# Altium PCB VALVEBOARD_Kun.PcbDoc (part 8 of 13) (continued)
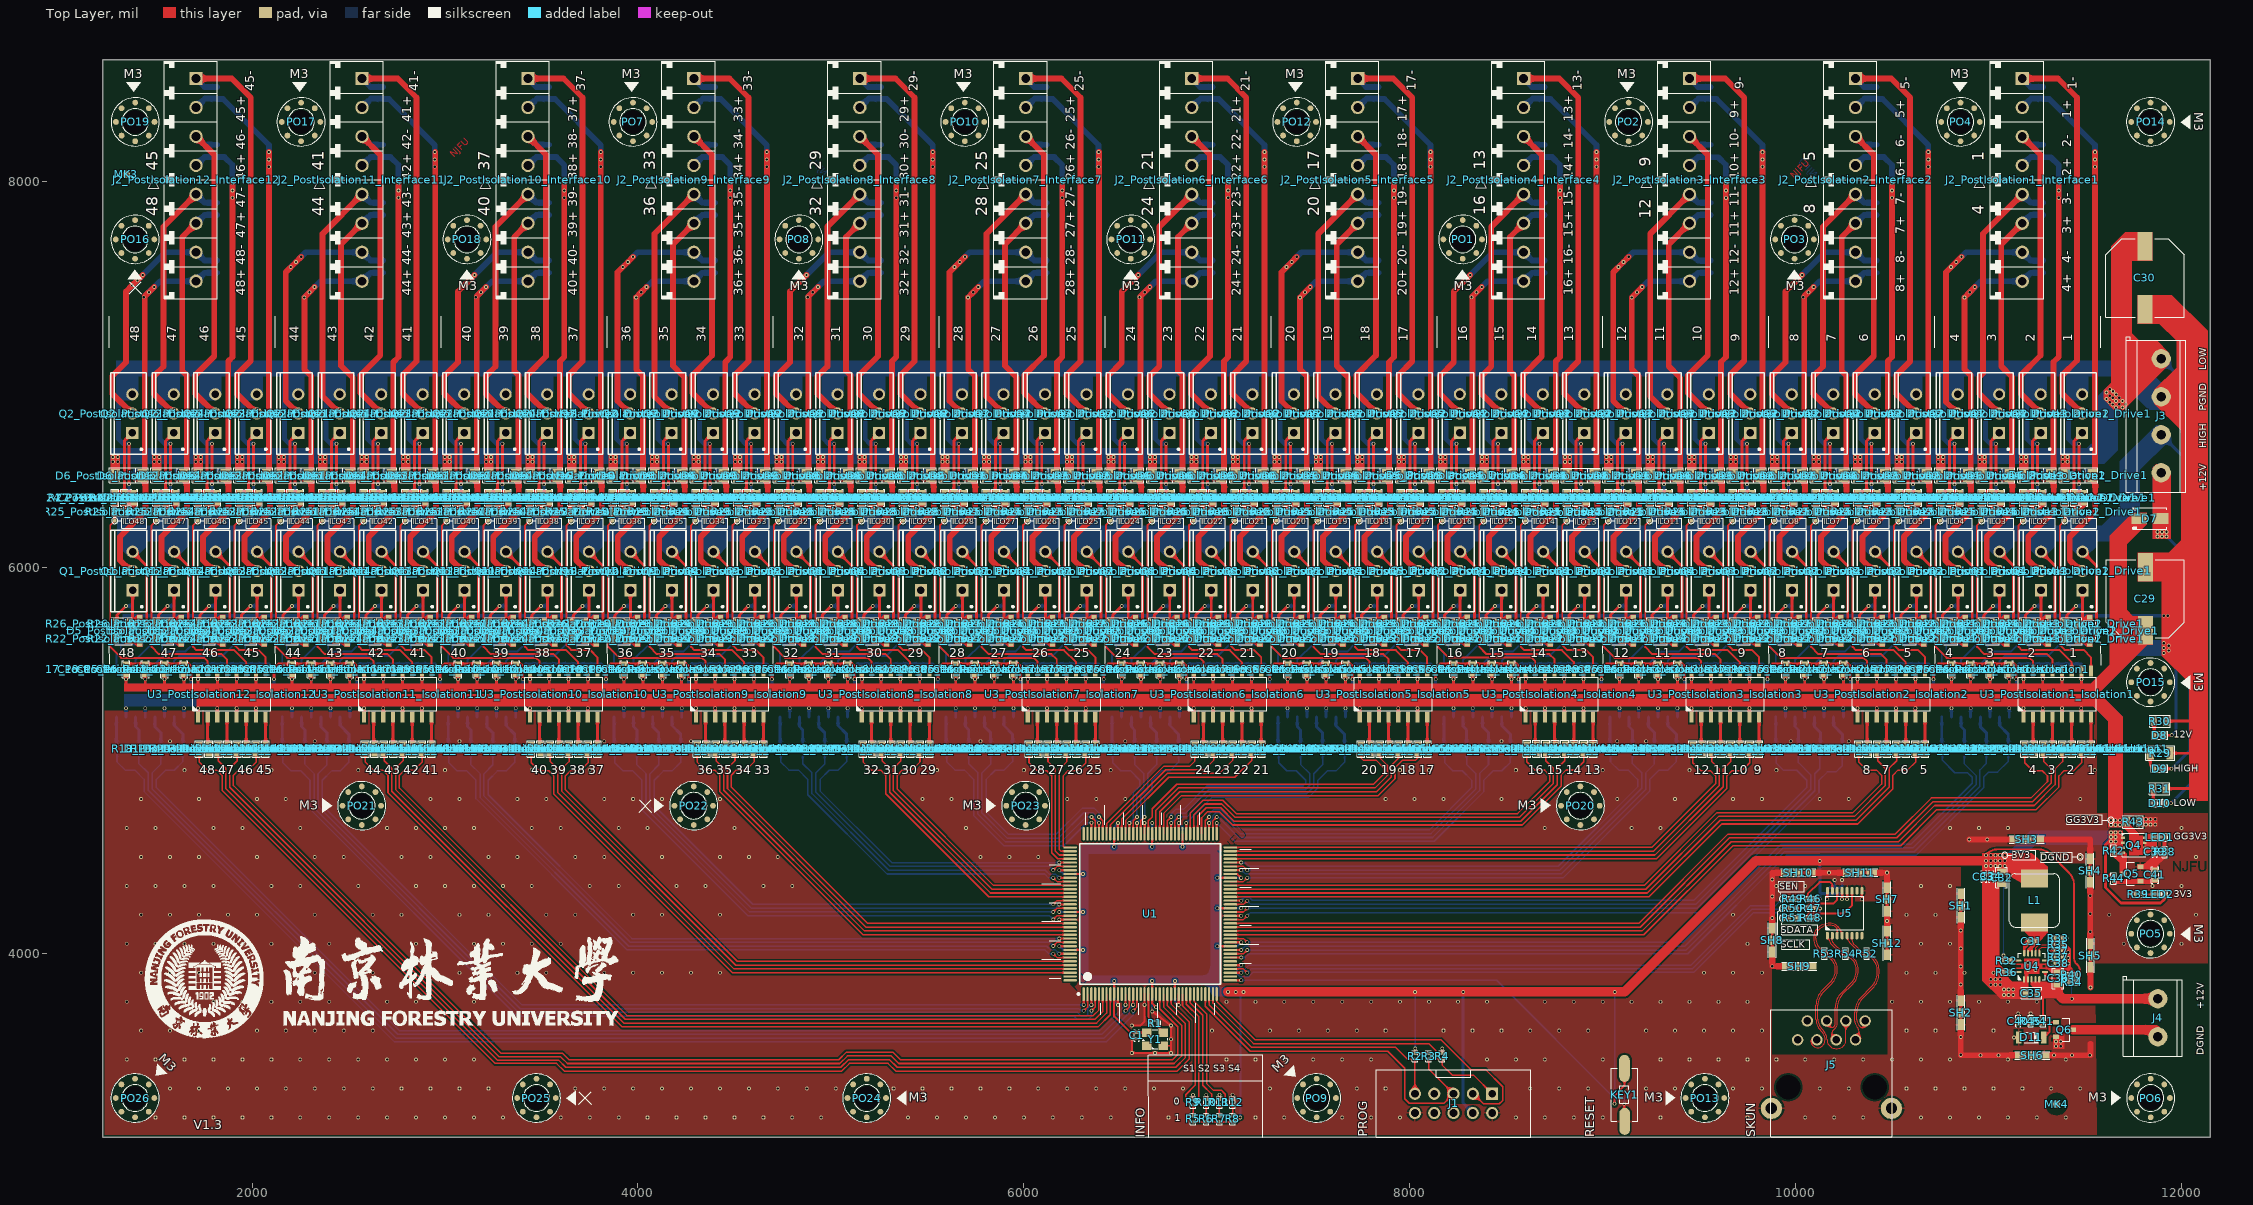
[diagram p0: Top Layer view]
## Nets (pads, with @x,y where several pads share a name; then routed paths per layer and width w, separated by ;. In a path a pad name is that pad's centre, name@x,y a point inside that pad or via, vN(x,y) a via of type N, cw(c..) or ccw(c..) an arc to the next point about the centre after c; other vN are vias at no path point) (continued)
  Top Layer w12: R21_PostIsolation7_Isolation7.2@6321.75,5082.41 D4_PostIsolation7_Isolation7.1@6370.87,5033.29
NetD4_PostIsolation7_Isolation7_2: D4_PostIsolation7_Isolation7.2 U3_PostIsolation7_Isolation7.8 | length 137.3
  Top Layer w15: U3_PostIsolation7_Isolation7.8@6370.31,5224.44 6370.31,5087.98 D4_PostIsolation7_Isolation7.2@6370.87,5087.41
NetD4_PostIsolation8_Isolation8_1: D4_PostIsolation8_Isolation8.1 R21_PostIsolation8_Isolation8.2 | length 69.5
  Top Layer w12: R21_PostIsolation8_Isolation8.2@5461.69,5082.41 D4_PostIsolation8_Isolation8.1@5510.81,5033.29
NetD4_PostIsolation8_Isolation8_2: D4_PostIsolation8_Isolation8.2 U3_PostIsolation8_Isolation8.8 | length 137.3
  Top Layer w15: U3_PostIsolation8_Isolation8.8@5510.25,5224.44 5510.25,5087.98 D4_PostIsolation8_Isolation8.2@5510.81,5087.41
NetD4_PostIsolation9_Isolation9_1: D4_PostIsolation9_Isolation9.1 R21_PostIsolation9_Isolation9.2 | length 69.5
  Top Layer w12: R21_PostIsolation9_Isolation9.2@4601.63,5082.41 D4_PostIsolation9_Isolation9.1@4650.75,5033.29
NetD4_PostIsolation9_Isolation9_2: D4_PostIsolation9_Isolation9.2 U3_PostIsolation9_Isolation9.8 | length 137.3
  Top Layer w15: U3_PostIsolation9_Isolation9.8@4650.19,5224.44 4650.19,5087.97 D4_PostIsolation9_Isolation9.2@4650.75,5087.41
NetD4_PostIsolation10_Isolation10_1: D4_PostIsolation10_Isolation10.1 R21_PostIsolation10_Isolation10.2 | length 69.5
  Top Layer w12: R21_PostIsolation10_Isolation10.2@3741.57,5082.41 D4_PostIsolation10_Isolation10.1@3790.69,5033.29
NetD4_PostIsolation10_Isolation10_2: D4_PostIsolation10_Isolation10.2 U3_PostIsolation10_Isolation10.8 | length 137.3
  Top Layer w15: U3_PostIsolation10_Isolation10.8@3790.13,5224.44 3790.13,5087.97 D4_PostIsolation10_Isolation10.2@3790.69,5087.41
NetD4_PostIsolation11_Isolation11_1: D4_PostIsolation11_Isolation11.1 R21_PostIsolation11_Isolation11.2 | length 69.5
  Top Layer w12: R21_PostIsolation11_Isolation11.2@2881.51,5082.41 D4_PostIsolation11_Isolation11.1@2930.63,5033.29
NetD4_PostIsolation11_Isolation11_2: D4_PostIsolation11_Isolation11.2 U3_PostIsolation11_Isolation11.8 | length 137.3
  Top Layer w15: U3_PostIsolation11_Isolation11.8@2930.07,5224.44 2930.07,5087.98 D4_PostIsolation11_Isolation11.2@2930.63,5087.41
NetD4_PostIsolation12_Isolation12_1: D4_PostIsolation12_Isolation12.1 R21_PostIsolation12_Isolation12.2 | length 69.5
  Top Layer w12: R21_PostIsolation12_Isolation12.2@2021.45,5082.41 D4_PostIsolation12_Isolation12.1@2070.57,5033.29
NetD4_PostIsolation12_Isolation12_2: D4_PostIsolation12_Isolation12.2 U3_PostIsolation12_Isolation12.8 | length 137.3
  Top Layer w15: U3_PostIsolation12_Isolation12.8@2070,5224.44 2070,5087.98 D4_PostIsolation12_Isolation12.2@2070.57,5087.41
NetD5_PostIsolation1_Drive1_2: D5_PostIsolation1_Drive1.2 Q1_PostIsolation1_Drive1.1 R22_PostIsolation1_Drive1.1 R26_PostIsolation1_Drive1.1 | length 261.1
  Top Layer w15: R22_PostIsolation1_Drive1.1@11408.43,5649.76 11455.61,5696.94 R26_PostIsolation1_Drive1.1@11455.61,5708.87 ; R26_PostIsolation1_Drive1.1@11457.96,5702.58 R26_PostIsolation1_Drive1.1@11463.67,5708.45 ; 11486.61,5708.87 Q1_PostIsolation1_Drive1.1@11486.61,5882.18 ; D5_PostIsolation1_Drive1.2@11522.89,5741.73 D5_PostIsolation1_Drive1.2@11523.59,5742.43
NetD5_PostIsolation1_Drive2_2: D5_PostIsolation1_Drive2.2 Q1_PostIsolation1_Drive2.1 R22_PostIsolation1_Drive2.1 R26_PostIsolation1_Drive2.1 | length 261.1
  Top Layer w15: R22_PostIsolation1_Drive2.1@11193.42,5649.63 11240.6,5696.81 R26_PostIsolation1_Drive2.1@11240.6,5708.74 ; R26_PostIsolation1_Drive2.1@11242.95,5702.45 R26_PostIsolation1_Drive2.1@11248.67,5708.32 ; 11271.6,5708.74 Q1_PostIsolation1_Drive2.1@11271.6,5882.05 ; D5_PostIsolation1_Drive2.2@11307.88,5741.6 D5_PostIsolation1_Drive2.2@11308.58,5742.31
NetD5_PostIsolation1_Drive3_2: D5_PostIsolation1_Drive3.2 Q1_PostIsolation1_Drive3.1 R22_PostIsolation1_Drive3.1 R26_PostIsolation1_Drive3.1 | length 261.1
  Top Layer w15: R22_PostIsolation1_Drive3.1@10978.27,5649.63 11025.45,5696.81 R26_PostIsolation1_Drive3.1@11025.45,5708.74 ; R26_PostIsolation1_Drive3.1@11027.81,5702.45 R26_PostIsolation1_Drive3.1@11033.52,5708.32 ; 11056.45,5708.74 Q1_PostIsolation1_Drive3.1@11056.45,5882.05 ; D5_PostIsolation1_Drive3.2@11092.74,5741.6 D5_PostIsolation1_Drive3.2@11093.44,5742.31
NetD5_PostIsolation1_Drive4_2: D5_PostIsolation1_Drive4.2 Q1_PostIsolation1_Drive4.1 R22_PostIsolation1_Drive4.1 R26_PostIsolation1_Drive4.1 | length 261.1
  Top Layer w15: R22_PostIsolation1_Drive4.1@10763.5,5649.63 10810.67,5696.81 R26_PostIsolation1_Drive4.1@10810.67,5708.74 ; R26_PostIsolation1_Drive4.1@10813.03,5702.45 R26_PostIsolation1_Drive4.1@10818.74,5708.32 ; 10841.68,5708.74 Q1_PostIsolation1_Drive4.1@10841.68,5882.05 ; D5_PostIsolation1_Drive4.2@10877.96,5741.6 D5_PostIsolation1_Drive4.2@10878.66,5742.31
NetD5_PostIsolation2_Drive1_2: D5_PostIsolation2_Drive1.2 Q1_PostIsolation2_Drive1.1 R22_PostIsolation2_Drive1.1 R26_PostIsolation2_Drive1.1 | length 261.1
  Top Layer w15: R22_PostIsolation2_Drive1.1@10548.37,5649.63 10595.55,5696.81 R26_PostIsolation2_Drive1.1@10595.55,5708.74 ; R26_PostIsolation2_Drive1.1@10597.9,5702.45 R26_PostIsolation2_Drive1.1@10603.62,5708.32 ; 10626.55,5708.74 Q1_PostIsolation2_Drive1.1@10626.55,5882.05 ; D5_PostIsolation2_Drive1.2@10662.84,5741.6 D5_PostIsolation2_Drive1.2@10663.54,5742.31
NetD5_PostIsolation2_Drive2_2: D5_PostIsolation2_Drive2.2 Q1_PostIsolation2_Drive2.1 R22_PostIsolation2_Drive2.1 R26_PostIsolation2_Drive2.1 | length 261.1
  Top Layer w15: R22_PostIsolation2_Drive2.1@10333.36,5649.63 10380.53,5696.81 R26_PostIsolation2_Drive2.1@10380.53,5708.74 ; R26_PostIsolation2_Drive2.1@10382.89,5702.45 R26_PostIsolation2_Drive2.1@10388.6,5708.32 ; 10411.54,5708.74 Q1_PostIsolation2_Drive2.1@10411.54,5882.05 ; D5_PostIsolation2_Drive2.2@10447.82,5741.6 D5_PostIsolation2_Drive2.2@10448.52,5742.31
NetD5_PostIsolation2_Drive3_2: D5_PostIsolation2_Drive3.2 Q1_PostIsolation2_Drive3.1 R22_PostIsolation2_Drive3.1 R26_PostIsolation2_Drive3.1 | length 261.1
  Top Layer w15: R22_PostIsolation2_Drive3.1@10118.34,5649.63 10165.52,5696.81 R26_PostIsolation2_Drive3.1@10165.52,5708.74 ; R26_PostIsolation2_Drive3.1@10167.87,5702.45 R26_PostIsolation2_Drive3.1@10173.59,5708.32 ; 10196.52,5708.74 Q1_PostIsolation2_Drive3.1@10196.52,5882.05 ; D5_PostIsolation2_Drive3.2@10232.81,5741.6 D5_PostIsolation2_Drive3.2@10233.51,5742.31
NetD5_PostIsolation2_Drive4_2: D5_PostIsolation2_Drive4.2 Q1_PostIsolation2_Drive4.1 R22_PostIsolation2_Drive4.1 R26_PostIsolation2_Drive4.1 | length 261.1
  Top Layer w15: R22_PostIsolation2_Drive4.1@9903.33,5649.63 9950.5,5696.81 R26_PostIsolation2_Drive4.1@9950.5,5708.74 ; R26_PostIsolation2_Drive4.1@9952.86,5702.45 R26_PostIsolation2_Drive4.1@9958.57,5708.32 ; 9981.51,5708.74 Q1_PostIsolation2_Drive4.1@9981.51,5882.05 ; D5_PostIsolation2_Drive4.2@10017.79,5741.6 D5_PostIsolation2_Drive4.2@10018.49,5742.31
NetD5_PostIsolation3_Drive1_2: D5_PostIsolation3_Drive1.2 Q1_PostIsolation3_Drive1.1 R22_PostIsolation3_Drive1.1 R26_PostIsolation3_Drive1.1 | length 261.1
  Top Layer w15: R22_PostIsolation3_Drive1.1@9688.31,5649.63 9735.49,5696.81 R26_PostIsolation3_Drive1.1@9735.49,5708.74 ; R26_PostIsolation3_Drive1.1@9737.84,5702.45 R26_PostIsolation3_Drive1.1@9743.56,5708.32 ; 9766.49,5708.74 Q1_PostIsolation3_Drive1.1@9766.49,5882.05 ; D5_PostIsolation3_Drive1.2@9802.78,5741.6 D5_PostIsolation3_Drive1.2@9803.48,5742.31
NetD5_PostIsolation3_Drive2_2: D5_PostIsolation3_Drive2.2 Q1_PostIsolation3_Drive2.1 R22_PostIsolation3_Drive2.1 R26_PostIsolation3_Drive2.1 | length 261.1
  Top Layer w15: R22_PostIsolation3_Drive2.1@9473.3,5649.63 9520.47,5696.81 R26_PostIsolation3_Drive2.1@9520.47,5708.74 ; R26_PostIsolation3_Drive2.1@9522.83,5702.45 R26_PostIsolation3_Drive2.1@9528.54,5708.32 ; 9551.48,5708.74 Q1_PostIsolation3_Drive2.1@9551.48,5882.05 ; D5_PostIsolation3_Drive2.2@9587.76,5741.6 D5_PostIsolation3_Drive2.2@9588.46,5742.31
NetD5_PostIsolation3_Drive3_2: D5_PostIsolation3_Drive3.2 Q1_PostIsolation3_Drive3.1 R22_PostIsolation3_Drive3.1 R26_PostIsolation3_Drive3.1 | length 261.1
  Top Layer w15: R22_PostIsolation3_Drive3.1@9258.28,5649.63 9305.46,5696.81 R26_PostIsolation3_Drive3.1@9305.46,5708.74 ; R26_PostIsolation3_Drive3.1@9307.81,5702.45 R26_PostIsolation3_Drive3.1@9313.53,5708.32 ; 9336.46,5708.74 Q1_PostIsolation3_Drive3.1@9336.46,5882.05 ; D5_PostIsolation3_Drive3.2@9372.75,5741.6 D5_PostIsolation3_Drive3.2@9373.45,5742.31
NetD5_PostIsolation3_Drive4_2: D5_PostIsolation3_Drive4.2 Q1_PostIsolation3_Drive4.1 R22_PostIsolation3_Drive4.1 R26_PostIsolation3_Drive4.1 | length 261.1
  Top Layer w15: R22_PostIsolation3_Drive4.1@9043.27,5649.63 9090.44,5696.81 R26_PostIsolation3_Drive4.1@9090.44,5708.74 ; R26_PostIsolation3_Drive4.1@9092.8,5702.45 R26_PostIsolation3_Drive4.1@9098.51,5708.32 ; 9121.45,5708.74 Q1_PostIsolation3_Drive4.1@9121.45,5882.05 ; D5_PostIsolation3_Drive4.2@9157.73,5741.6 D5_PostIsolation3_Drive4.2@9158.43,5742.31
NetD5_PostIsolation4_Drive1_2: D5_PostIsolation4_Drive1.2 Q1_PostIsolation4_Drive1.1 R22_PostIsolation4_Drive1.1 R26_PostIsolation4_Drive1.1 | length 261.1
  Top Layer w15: R22_PostIsolation4_Drive1.1@8828.25,5649.5 8875.43,5696.68 R26_PostIsolation4_Drive1.1@8875.43,5708.61 ; R26_PostIsolation4_Drive1.1@8877.78,5702.32 R26_PostIsolation4_Drive1.1@8883.5,5708.19 ; 8906.43,5708.61 Q1_PostIsolation4_Drive1.1@8906.43,5881.92 ; D5_PostIsolation4_Drive1.2@8942.72,5741.47 D5_PostIsolation4_Drive1.2@8943.42,5742.17
NetD5_PostIsolation4_Drive2_2: D5_PostIsolation4_Drive2.2 Q1_PostIsolation4_Drive2.1 R22_PostIsolation4_Drive2.1 R26_PostIsolation4_Drive2.1 | length 261.1
  Top Layer w15: R22_PostIsolation4_Drive2.1@8613.24,5649.63 8660.41,5696.81 R26_PostIsolation4_Drive2.1@8660.41,5708.74 ; R26_PostIsolation4_Drive2.1@8662.77,5702.45 R26_PostIsolation4_Drive2.1@8668.48,5708.32 ; 8691.42,5708.74 Q1_PostIsolation4_Drive2.1@8691.42,5882.05 ; D5_PostIsolation4_Drive2.2@8727.7,5741.6 D5_PostIsolation4_Drive2.2@8728.4,5742.31
NetD5_PostIsolation4_Drive3_2: D5_PostIsolation4_Drive3.2 Q1_PostIsolation4_Drive3.1 R22_PostIsolation4_Drive3.1 R26_PostIsolation4_Drive3.1 | length 261.1
  Top Layer w15: R22_PostIsolation4_Drive3.1@8398.22,5649.63 8445.4,5696.81 R26_PostIsolation4_Drive3.1@8445.4,5708.74 ; R26_PostIsolation4_Drive3.1@8447.75,5702.45 R26_PostIsolation4_Drive3.1@8453.47,5708.32 ; 8476.4,5708.74 Q1_PostIsolation4_Drive3.1@8476.4,5882.05 ; D5_PostIsolation4_Drive3.2@8512.68,5741.6 D5_PostIsolation4_Drive3.2@8513.38,5742.31
NetD5_PostIsolation4_Drive4_2: D5_PostIsolation4_Drive4.2 Q1_PostIsolation4_Drive4.1 R22_PostIsolation4_Drive4.1 R26_PostIsolation4_Drive4.1 | length 261.1
  Top Layer w15: R22_PostIsolation4_Drive4.1@8183.21,5650.08 8230.38,5697.26 R26_PostIsolation4_Drive4.1@8230.38,5709.19 ; R26_PostIsolation4_Drive4.1@8232.74,5702.9 R26_PostIsolation4_Drive4.1@8238.45,5708.76 ; 8261.39,5709.19 Q1_PostIsolation4_Drive4.1@8261.39,5882.5 ; D5_PostIsolation4_Drive4.2@8297.67,5742.05 D5_PostIsolation4_Drive4.2@8298.37,5742.75
NetD5_PostIsolation5_Drive1_2: D5_PostIsolation5_Drive1.2 Q1_PostIsolation5_Drive1.1 R22_PostIsolation5_Drive1.1 R26_PostIsolation5_Drive1.1 | length 261.1
  Top Layer w15: R22_PostIsolation5_Drive1.1@7968.19,5649.63 8015.37,5696.81 R26_PostIsolation5_Drive1.1@8015.37,5708.74 ; R26_PostIsolation5_Drive1.1@8017.72,5702.45 R26_PostIsolation5_Drive1.1@8023.44,5708.32 ; 8046.37,5708.74 Q1_PostIsolation5_Drive1.1@8046.37,5882.05 ; D5_PostIsolation5_Drive1.2@8082.65,5741.6 D5_PostIsolation5_Drive1.2@8083.35,5742.31
NetD5_PostIsolation5_Drive2_2: D5_PostIsolation5_Drive2.2 Q1_PostIsolation5_Drive2.1 R22_PostIsolation5_Drive2.1 R26_PostIsolation5_Drive2.1 | length 261.1
  Top Layer w15: R22_PostIsolation5_Drive2.1@7753.18,5649.63 7800.35,5696.81 R26_PostIsolation5_Drive2.1@7800.35,5708.74 ; R26_PostIsolation5_Drive2.1@7802.71,5702.45 R26_PostIsolation5_Drive2.1@7808.42,5708.32 ; 7831.36,5708.74 Q1_PostIsolation5_Drive2.1@7831.36,5882.05 ; D5_PostIsolation5_Drive2.2@7867.64,5741.6 D5_PostIsolation5_Drive2.2@7868.34,5742.31
NetD5_PostIsolation5_Drive3_2: D5_PostIsolation5_Drive3.2 Q1_PostIsolation5_Drive3.1 R22_PostIsolation5_Drive3.1 R26_PostIsolation5_Drive3.1 | length 261.1
  Top Layer w15: R22_PostIsolation5_Drive3.1@7538.16,5649.63 7585.34,5696.81 R26_PostIsolation5_Drive3.1@7585.34,5708.74 ; R26_PostIsolation5_Drive3.1@7587.69,5702.45 R26_PostIsolation5_Drive3.1@7593.4,5708.32 ; 7616.34,5708.74 Q1_PostIsolation5_Drive3.1@7616.34,5882.05 ; D5_PostIsolation5_Drive3.2@7652.62,5741.6 D5_PostIsolation5_Drive3.2@7653.32,5742.31
NetD5_PostIsolation5_Drive4_2: D5_PostIsolation5_Drive4.2 Q1_PostIsolation5_Drive4.1 R22_PostIsolation5_Drive4.1 R26_PostIsolation5_Drive4.1 | length 261.1
  Top Layer w15: R22_PostIsolation5_Drive4.1@7323.14,5649.63 7370.32,5696.81 R26_PostIsolation5_Drive4.1@7370.32,5708.74 ; R26_PostIsolation5_Drive4.1@7372.68,5702.45 R26_PostIsolation5_Drive4.1@7378.39,5708.32 ; 7401.33,5708.74 Q1_PostIsolation5_Drive4.1@7401.33,5882.05 ; D5_PostIsolation5_Drive4.2@7437.61,5741.6 D5_PostIsolation5_Drive4.2@7438.31,5742.31
NetD5_PostIsolation6_Drive1_2: D5_PostIsolation6_Drive1.2 Q1_PostIsolation6_Drive1.1 R22_PostIsolation6_Drive1.1 R26_PostIsolation6_Drive1.1 | length 261.1
  Top Layer w15: R22_PostIsolation6_Drive1.1@7108.13,5649.63 7155.31,5696.81 R26_PostIsolation6_Drive1.1@7155.31,5708.74 ; R26_PostIsolation6_Drive1.1@7157.66,5702.45 R26_PostIsolation6_Drive1.1@7163.37,5708.32 ; 7186.31,5708.74 Q1_PostIsolation6_Drive1.1@7186.31,5882.05 ; D5_PostIsolation6_Drive1.2@7222.59,5741.6 D5_PostIsolation6_Drive1.2@7223.29,5742.31
NetD5_PostIsolation6_Drive2_2: D5_PostIsolation6_Drive2.2 Q1_PostIsolation6_Drive2.1 R22_PostIsolation6_Drive2.1 R26_PostIsolation6_Drive2.1 | length 261.1
  Top Layer w15: R22_PostIsolation6_Drive2.1@6893.11,5649.63 6940.29,5696.81 R26_PostIsolation6_Drive2.1@6940.29,5708.74 ; R26_PostIsolation6_Drive2.1@6942.65,5702.45 R26_PostIsolation6_Drive2.1@6948.36,5708.32 ; 6971.3,5708.74 Q1_PostIsolation6_Drive2.1@6971.3,5882.05 ; D5_PostIsolation6_Drive2.2@7007.58,5741.6 D5_PostIsolation6_Drive2.2@7008.28,5742.31
NetD5_PostIsolation6_Drive3_2: D5_PostIsolation6_Drive3.2 Q1_PostIsolation6_Drive3.1 R22_PostIsolation6_Drive3.1 R26_PostIsolation6_Drive3.1 | length 261.1
  Top Layer w15: R22_PostIsolation6_Drive3.1@6678.1,5649.63 6725.28,5696.81 R26_PostIsolation6_Drive3.1@6725.28,5708.74 ; R26_PostIsolation6_Drive3.1@6727.63,5702.45 R26_PostIsolation6_Drive3.1@6733.34,5708.32 ; 6756.28,5708.74 Q1_PostIsolation6_Drive3.1@6756.28,5882.05 ; D5_PostIsolation6_Drive3.2@6792.56,5741.6 D5_PostIsolation6_Drive3.2@6793.26,5742.31
NetD5_PostIsolation6_Drive4_2: D5_PostIsolation6_Drive4.2 Q1_PostIsolation6_Drive4.1 R22_PostIsolation6_Drive4.1 R26_PostIsolation6_Drive4.1 | length 261.1
  Top Layer w15: R22_PostIsolation6_Drive4.1@6463.08,5649.63 6510.26,5696.81 R26_PostIsolation6_Drive4.1@6510.26,5708.74 ; R26_PostIsolation6_Drive4.1@6512.62,5702.45 R26_PostIsolation6_Drive4.1@6518.33,5708.32 ; 6541.26,5708.74 Q1_PostIsolation6_Drive4.1@6541.26,5882.05 ; D5_PostIsolation6_Drive4.2@6577.55,5741.6 D5_PostIsolation6_Drive4.2@6578.25,5742.31
NetD5_PostIsolation7_Drive1_2: D5_PostIsolation7_Drive1.2 Q1_PostIsolation7_Drive1.1 R22_PostIsolation7_Drive1.1 R26_PostIsolation7_Drive1.1 | length 261.1
  Top Layer w15: R22_PostIsolation7_Drive1.1@6248.07,5649.63 6295.24,5696.81 R26_PostIsolation7_Drive1.1@6295.24,5708.74 ; R26_PostIsolation7_Drive1.1@6297.6,5702.45 R26_PostIsolation7_Drive1.1@6303.31,5708.32 ; 6326.25,5708.74 Q1_PostIsolation7_Drive1.1@6326.25,5882.05 ; D5_PostIsolation7_Drive1.2@6362.53,5741.6 D5_PostIsolation7_Drive1.2@6363.23,5742.31
NetD5_PostIsolation7_Drive2_2: D5_PostIsolation7_Drive2.2 Q1_PostIsolation7_Drive2.1 R22_PostIsolation7_Drive2.1 R26_PostIsolation7_Drive2.1 | length 261.1
  Top Layer w15: R22_PostIsolation7_Drive2.1@6033.05,5649.63 6080.23,5696.81 R26_PostIsolation7_Drive2.1@6080.23,5708.74 ; R26_PostIsolation7_Drive2.1@6082.59,5702.45 R26_PostIsolation7_Drive2.1@6088.3,5708.32 ; 6111.23,5708.74 Q1_PostIsolation7_Drive2.1@6111.23,5882.05 ; D5_PostIsolation7_Drive2.2@6147.52,5741.6 D5_PostIsolation7_Drive2.2@6148.22,5742.31
NetD5_PostIsolation7_Drive3_2: D5_PostIsolation7_Drive3.2 Q1_PostIsolation7_Drive3.1 R22_PostIsolation7_Drive3.1 R26_PostIsolation7_Drive3.1 | length 261.1
  Top Layer w15: R22_PostIsolation7_Drive3.1@5818.04,5649.63 5865.21,5696.81 R26_PostIsolation7_Drive3.1@5865.21,5708.74 ; R26_PostIsolation7_Drive3.1@5867.57,5702.45 R26_PostIsolation7_Drive3.1@5873.28,5708.32 ; 5896.22,5708.74 Q1_PostIsolation7_Drive3.1@5896.22,5882.05 ; D5_PostIsolation7_Drive3.2@5932.5,5741.6 D5_PostIsolation7_Drive3.2@5933.2,5742.31
NetD5_PostIsolation7_Drive4_2: D5_PostIsolation7_Drive4.2 Q1_PostIsolation7_Drive4.1 R22_PostIsolation7_Drive4.1 R26_PostIsolation7_Drive4.1 | length 261.1
  Top Layer w15: R22_PostIsolation7_Drive4.1@5603.02,5649.63 5650.2,5696.81 R26_PostIsolation7_Drive4.1@5650.2,5708.74 ; R26_PostIsolation7_Drive4.1@5652.55,5702.45 R26_PostIsolation7_Drive4.1@5658.27,5708.32 ; 5681.2,5708.74 Q1_PostIsolation7_Drive4.1@5681.2,5882.05 ; D5_PostIsolation7_Drive4.2@5717.49,5741.6 D5_PostIsolation7_Drive4.2@5718.19,5742.31
NetD5_PostIsolation8_Drive1_2: D5_PostIsolation8_Drive1.2 Q1_PostIsolation8_Drive1.1 R22_PostIsolation8_Drive1.1 R26_PostIsolation8_Drive1.1 | length 261.1
  Top Layer w15: R22_PostIsolation8_Drive1.1@5388.01,5649.63 5435.18,5696.81 R26_PostIsolation8_Drive1.1@5435.18,5708.74 ; R26_PostIsolation8_Drive1.1@5437.54,5702.45 R26_PostIsolation8_Drive1.1@5443.25,5708.32 ; 5466.19,5708.74 Q1_PostIsolation8_Drive1.1@5466.19,5882.05 ; D5_PostIsolation8_Drive1.2@5502.47,5741.6 D5_PostIsolation8_Drive1.2@5503.17,5742.31
NetD5_PostIsolation8_Drive2_2: D5_PostIsolation8_Drive2.2 Q1_PostIsolation8_Drive2.1 R22_PostIsolation8_Drive2.1 R26_PostIsolation8_Drive2.1 | length 261.1
  Top Layer w15: R22_PostIsolation8_Drive2.1@5172.99,5649.63 5220.17,5696.81 R26_PostIsolation8_Drive2.1@5220.17,5708.74 ; R26_PostIsolation8_Drive2.1@5222.52,5702.45 R26_PostIsolation8_Drive2.1@5228.24,5708.32 ; 5251.17,5708.74 Q1_PostIsolation8_Drive2.1@5251.17,5882.05 ; D5_PostIsolation8_Drive2.2@5287.46,5741.6 D5_PostIsolation8_Drive2.2@5288.16,5742.31
NetD5_PostIsolation8_Drive3_2: D5_PostIsolation8_Drive3.2 Q1_PostIsolation8_Drive3.1 R22_PostIsolation8_Drive3.1 R26_PostIsolation8_Drive3.1 | length 261.1
  Top Layer w15: R22_PostIsolation8_Drive3.1@4957.98,5649.63 5005.15,5696.81 R26_PostIsolation8_Drive3.1@5005.15,5708.74 ; R26_PostIsolation8_Drive3.1@5007.51,5702.45 R26_PostIsolation8_Drive3.1@5013.22,5708.32 ; 5036.16,5708.74 Q1_PostIsolation8_Drive3.1@5036.16,5882.05 ; D5_PostIsolation8_Drive3.2@5072.44,5741.6 D5_PostIsolation8_Drive3.2@5073.14,5742.31
NetD5_PostIsolation8_Drive4_2: D5_PostIsolation8_Drive4.2 Q1_PostIsolation8_Drive4.1 R22_PostIsolation8_Drive4.1 R26_PostIsolation8_Drive4.1 | length 261.1
  Top Layer w15: R22_PostIsolation8_Drive4.1@4742.96,5649.63 4790.14,5696.81 R26_PostIsolation8_Drive4.1@4790.14,5708.74 ; R26_PostIsolation8_Drive4.1@4792.49,5702.45 R26_PostIsolation8_Drive4.1@4798.21,5708.32 ; 4821.14,5708.74 Q1_PostIsolation8_Drive4.1@4821.14,5882.05 ; D5_PostIsolation8_Drive4.2@4857.43,5741.6 D5_PostIsolation8_Drive4.2@4858.13,5742.31
NetD5_PostIsolation9_Drive1_2: D5_PostIsolation9_Drive1.2 Q1_PostIsolation9_Drive1.1 R22_PostIsolation9_Drive1.1 R26_PostIsolation9_Drive1.1 | length 261.1
  Top Layer w15: R22_PostIsolation9_Drive1.1@4527.95,5649.63 4575.12,5696.81 R26_PostIsolation9_Drive1.1@4575.12,5708.74 ; R26_PostIsolation9_Drive1.1@4577.48,5702.45 R26_PostIsolation9_Drive1.1@4583.19,5708.32 ; 4606.13,5708.74 Q1_PostIsolation9_Drive1.1@4606.13,5882.05 ; D5_PostIsolation9_Drive1.2@4642.41,5741.6 D5_PostIsolation9_Drive1.2@4643.11,5742.3
NetD5_PostIsolation9_Drive2_2: D5_PostIsolation9_Drive2.2 Q1_PostIsolation9_Drive2.1 R22_PostIsolation9_Drive2.1 R26_PostIsolation9_Drive2.1 | length 261.1
  Top Layer w15: R22_PostIsolation9_Drive2.1@4312.93,5649.63 4360.11,5696.81 R26_PostIsolation9_Drive2.1@4360.11,5708.74 ; R26_PostIsolation9_Drive2.1@4362.46,5702.45 R26_PostIsolation9_Drive2.1@4368.18,5708.32 ; 4391.11,5708.74 Q1_PostIsolation9_Drive2.1@4391.11,5882.05 ; D5_PostIsolation9_Drive2.2@4427.4,5741.6 D5_PostIsolation9_Drive2.2@4428.1,5742.3
NetD5_PostIsolation9_Drive3_2: D5_PostIsolation9_Drive3.2 Q1_PostIsolation9_Drive3.1 R22_PostIsolation9_Drive3.1 R26_PostIsolation9_Drive3.1 | length 261.1
  Top Layer w15: R22_PostIsolation9_Drive3.1@4097.92,5649.63 4145.09,5696.81 R26_PostIsolation9_Drive3.1@4145.09,5708.74 ; R26_PostIsolation9_Drive3.1@4147.45,5702.45 R26_PostIsolation9_Drive3.1@4153.16,5708.32 ; 4176.1,5708.74 Q1_PostIsolation9_Drive3.1@4176.1,5882.05 ; D5_PostIsolation9_Drive3.2@4212.38,5741.6 D5_PostIsolation9_Drive3.2@4213.08,5742.3
NetD5_PostIsolation9_Drive4_2: D5_PostIsolation9_Drive4.2 Q1_PostIsolation9_Drive4.1 R22_PostIsolation9_Drive4.1 R26_PostIsolation9_Drive4.1 | length 261.1
  Top Layer w15: R22_PostIsolation9_Drive4.1@3882.9,5649.63 3930.08,5696.81 R26_PostIsolation9_Drive4.1@3930.08,5708.74 ; R26_PostIsolation9_Drive4.1@3932.43,5702.45 R26_PostIsolation9_Drive4.1@3938.15,5708.32 ; 3961.08,5708.74 Q1_PostIsolation9_Drive4.1@3961.08,5882.05 ; D5_PostIsolation9_Drive4.2@3997.37,5741.6 D5_PostIsolation9_Drive4.2@3998.07,5742.3
NetD5_PostIsolation10_Drive1_2: D5_PostIsolation10_Drive1.2 Q1_PostIsolation10_Drive1.1 R22_PostIsolation10_Drive1.1 R26_PostIsolation10_Drive1.1 | length 261.1
  Top Layer w15: R22_PostIsolation10_Drive1.1@3667.89,5649.63 3715.06,5696.81 R26_PostIsolation10_Drive1.1@3715.06,5708.74 ; R26_PostIsolation10_Drive1.1@3717.42,5702.45 R26_PostIsolation10_Drive1.1@3723.13,5708.32 ; 3746.07,5708.74 Q1_PostIsolation10_Drive1.1@3746.07,5882.05 ; D5_PostIsolation10_Drive1.2@3782.35,5741.6 D5_PostIsolation10_Drive1.2@3783.05,5742.3
NetD5_PostIsolation10_Drive2_2: D5_PostIsolation10_Drive2.2 Q1_PostIsolation10_Drive2.1 R22_PostIsolation10_Drive2.1 R26_PostIsolation10_Drive2.1 | length 261.1
  Top Layer w15: R22_PostIsolation10_Drive2.1@3452.87,5649.63 3500.05,5696.81 R26_PostIsolation10_Drive2.1@3500.05,5708.74 ; R26_PostIsolation10_Drive2.1@3502.4,5702.45 R26_PostIsolation10_Drive2.1@3508.12,5708.32 ; 3531.05,5708.74 Q1_PostIsolation10_Drive2.1@3531.05,5882.05 ; D5_PostIsolation10_Drive2.2@3567.34,5741.6 D5_PostIsolation10_Drive2.2@3568.04,5742.3
NetD5_PostIsolation10_Drive3_2: D5_PostIsolation10_Drive3.2 Q1_PostIsolation10_Drive3.1 R22_PostIsolation10_Drive3.1 R26_PostIsolation10_Drive3.1 | length 261.1
  Top Layer w15: R22_PostIsolation10_Drive3.1@3237.86,5649.63 3285.03,5696.81 R26_PostIsolation10_Drive3.1@3285.03,5708.74 ; R26_PostIsolation10_Drive3.1@3287.39,5702.45 R26_PostIsolation10_Drive3.1@3293.1,5708.32 ; 3316.04,5708.74 Q1_PostIsolation10_Drive3.1@3316.04,5882.05 ; D5_PostIsolation10_Drive3.2@3352.32,5741.6 D5_PostIsolation10_Drive3.2@3353.02,5742.3
NetD5_PostIsolation10_Drive4_2: D5_PostIsolation10_Drive4.2 Q1_PostIsolation10_Drive4.1 R22_PostIsolation10_Drive4.1 R26_PostIsolation10_Drive4.1 | length 261.1
  Top Layer w15: R22_PostIsolation10_Drive4.1@3022.84,5649.63 3070.02,5696.81 R26_PostIsolation10_Drive4.1@3070.02,5708.74 ; R26_PostIsolation10_Drive4.1@3072.37,5702.45 R26_PostIsolation10_Drive4.1@3078.09,5708.32 ; 3101.02,5708.74 Q1_PostIsolation10_Drive4.1@3101.02,5882.05 ; D5_PostIsolation10_Drive4.2@3137.3,5741.6 D5_PostIsolation10_Drive4.2@3138,5742.3
NetD5_PostIsolation11_Drive1_2: D5_PostIsolation11_Drive1.2 Q1_PostIsolation11_Drive1.1 R22_PostIsolation11_Drive1.1 R26_PostIsolation11_Drive1.1 | length 261.1
  Top Layer w15: R22_PostIsolation11_Drive1.1@2807.83,5649.63 2855,5696.81 R26_PostIsolation11_Drive1.1@2855,5708.74 ; R26_PostIsolation11_Drive1.1@2857.36,5702.45 R26_PostIsolation11_Drive1.1@2863.07,5708.32 ; 2886.01,5708.74 Q1_PostIsolation11_Drive1.1@2886.01,5882.05 ; D5_PostIsolation11_Drive1.2@2922.29,5741.61 D5_PostIsolation11_Drive1.2@2922.99,5742.31
NetD5_PostIsolation11_Drive2_2: D5_PostIsolation11_Drive2.2 Q1_PostIsolation11_Drive2.1 R22_PostIsolation11_Drive2.1 R26_PostIsolation11_Drive2.1 | length 261.1
  Top Layer w15: R22_PostIsolation11_Drive2.1@2592.81,5649.63 2639.99,5696.81 R26_PostIsolation11_Drive2.1@2639.99,5708.74 ; R26_PostIsolation11_Drive2.1@2642.34,5702.45 R26_PostIsolation11_Drive2.1@2648.05,5708.32 ; 2670.99,5708.74 Q1_PostIsolation11_Drive2.1@2670.99,5882.05 ; D5_PostIsolation11_Drive2.2@2707.27,5741.61 D5_PostIsolation11_Drive2.2@2707.97,5742.31
NetD5_PostIsolation11_Drive3_2: D5_PostIsolation11_Drive3.2 Q1_PostIsolation11_Drive3.1 R22_PostIsolation11_Drive3.1 R26_PostIsolation11_Drive3.1 | length 261.1
  Top Layer w15: R22_PostIsolation11_Drive3.1@2377.8,5649.63 2424.97,5696.81 R26_PostIsolation11_Drive3.1@2424.97,5708.74 ; R26_PostIsolation11_Drive3.1@2427.33,5702.45 R26_PostIsolation11_Drive3.1@2433.04,5708.32 ; 2455.98,5708.74 Q1_PostIsolation11_Drive3.1@2455.98,5882.05 ; D5_PostIsolation11_Drive3.2@2492.26,5741.61 D5_PostIsolation11_Drive3.2@2492.96,5742.31
NetD5_PostIsolation11_Drive4_2: D5_PostIsolation11_Drive4.2 Q1_PostIsolation11_Drive4.1 R22_PostIsolation11_Drive4.1 R26_PostIsolation11_Drive4.1 | length 261.1
  Top Layer w15: R22_PostIsolation11_Drive4.1@2162.78,5649.63 2209.96,5696.81 R26_PostIsolation11_Drive4.1@2209.96,5708.74 ; R26_PostIsolation11_Drive4.1@2212.31,5702.45 R26_PostIsolation11_Drive4.1@2218.02,5708.32 ; 2240.96,5708.74 Q1_PostIsolation11_Drive4.1@2240.96,5882.05 ; D5_PostIsolation11_Drive4.2@2277.24,5741.61 D5_PostIsolation11_Drive4.2@2277.94,5742.31
NetD5_PostIsolation12_Drive1_2: D5_PostIsolation12_Drive1.2 Q1_PostIsolation12_Drive1.1 R22_PostIsolation12_Drive1.1 R26_PostIsolation12_Drive1.1 | length 261.1
  Top Layer w15: R22_PostIsolation12_Drive1.1@1947.76,5649.63 1994.94,5696.81 R26_PostIsolation12_Drive1.1@1994.94,5708.74 ; R26_PostIsolation12_Drive1.1@1997.3,5702.45 R26_PostIsolation12_Drive1.1@2003.01,5708.32 ; 2025.95,5708.74 Q1_PostIsolation12_Drive1.1@2025.95,5882.05 ; D5_PostIsolation12_Drive1.2@2062.23,5741.6 D5_PostIsolation12_Drive1.2@2062.93,5742.3
NetD5_PostIsolation12_Drive2_2: D5_PostIsolation12_Drive2.2 Q1_PostIsolation12_Drive2.1 R22_PostIsolation12_Drive2.1 R26_PostIsolation12_Drive2.1 | length 261.1
  Top Layer w15: R22_PostIsolation12_Drive2.1@1732.75,5649.63 1779.93,5696.81 R26_PostIsolation12_Drive2.1@1779.93,5708.74 ; R26_PostIsolation12_Drive2.1@1782.28,5702.45 R26_PostIsolation12_Drive2.1@1787.99,5708.32 ; 1810.93,5708.74 Q1_PostIsolation12_Drive2.1@1810.93,5882.05 ; D5_PostIsolation12_Drive2.2@1847.21,5741.6 D5_PostIsolation12_Drive2.2@1847.91,5742.3